# Altium PCB CH565W-R0.PcbDoc (part 4 of 5)
Units mil, origin at the board's own origin, x right, y up, seen from the top; angles counter-clockwise.
Board outline 3947.04 x 3947.04 mil, 4 copper layers (Top Layer, Layer 1, Layer 2, Bottom Layer), stack 23.756 mil thick; 204 components, 168 nets, 932 pads, 1005 vias.
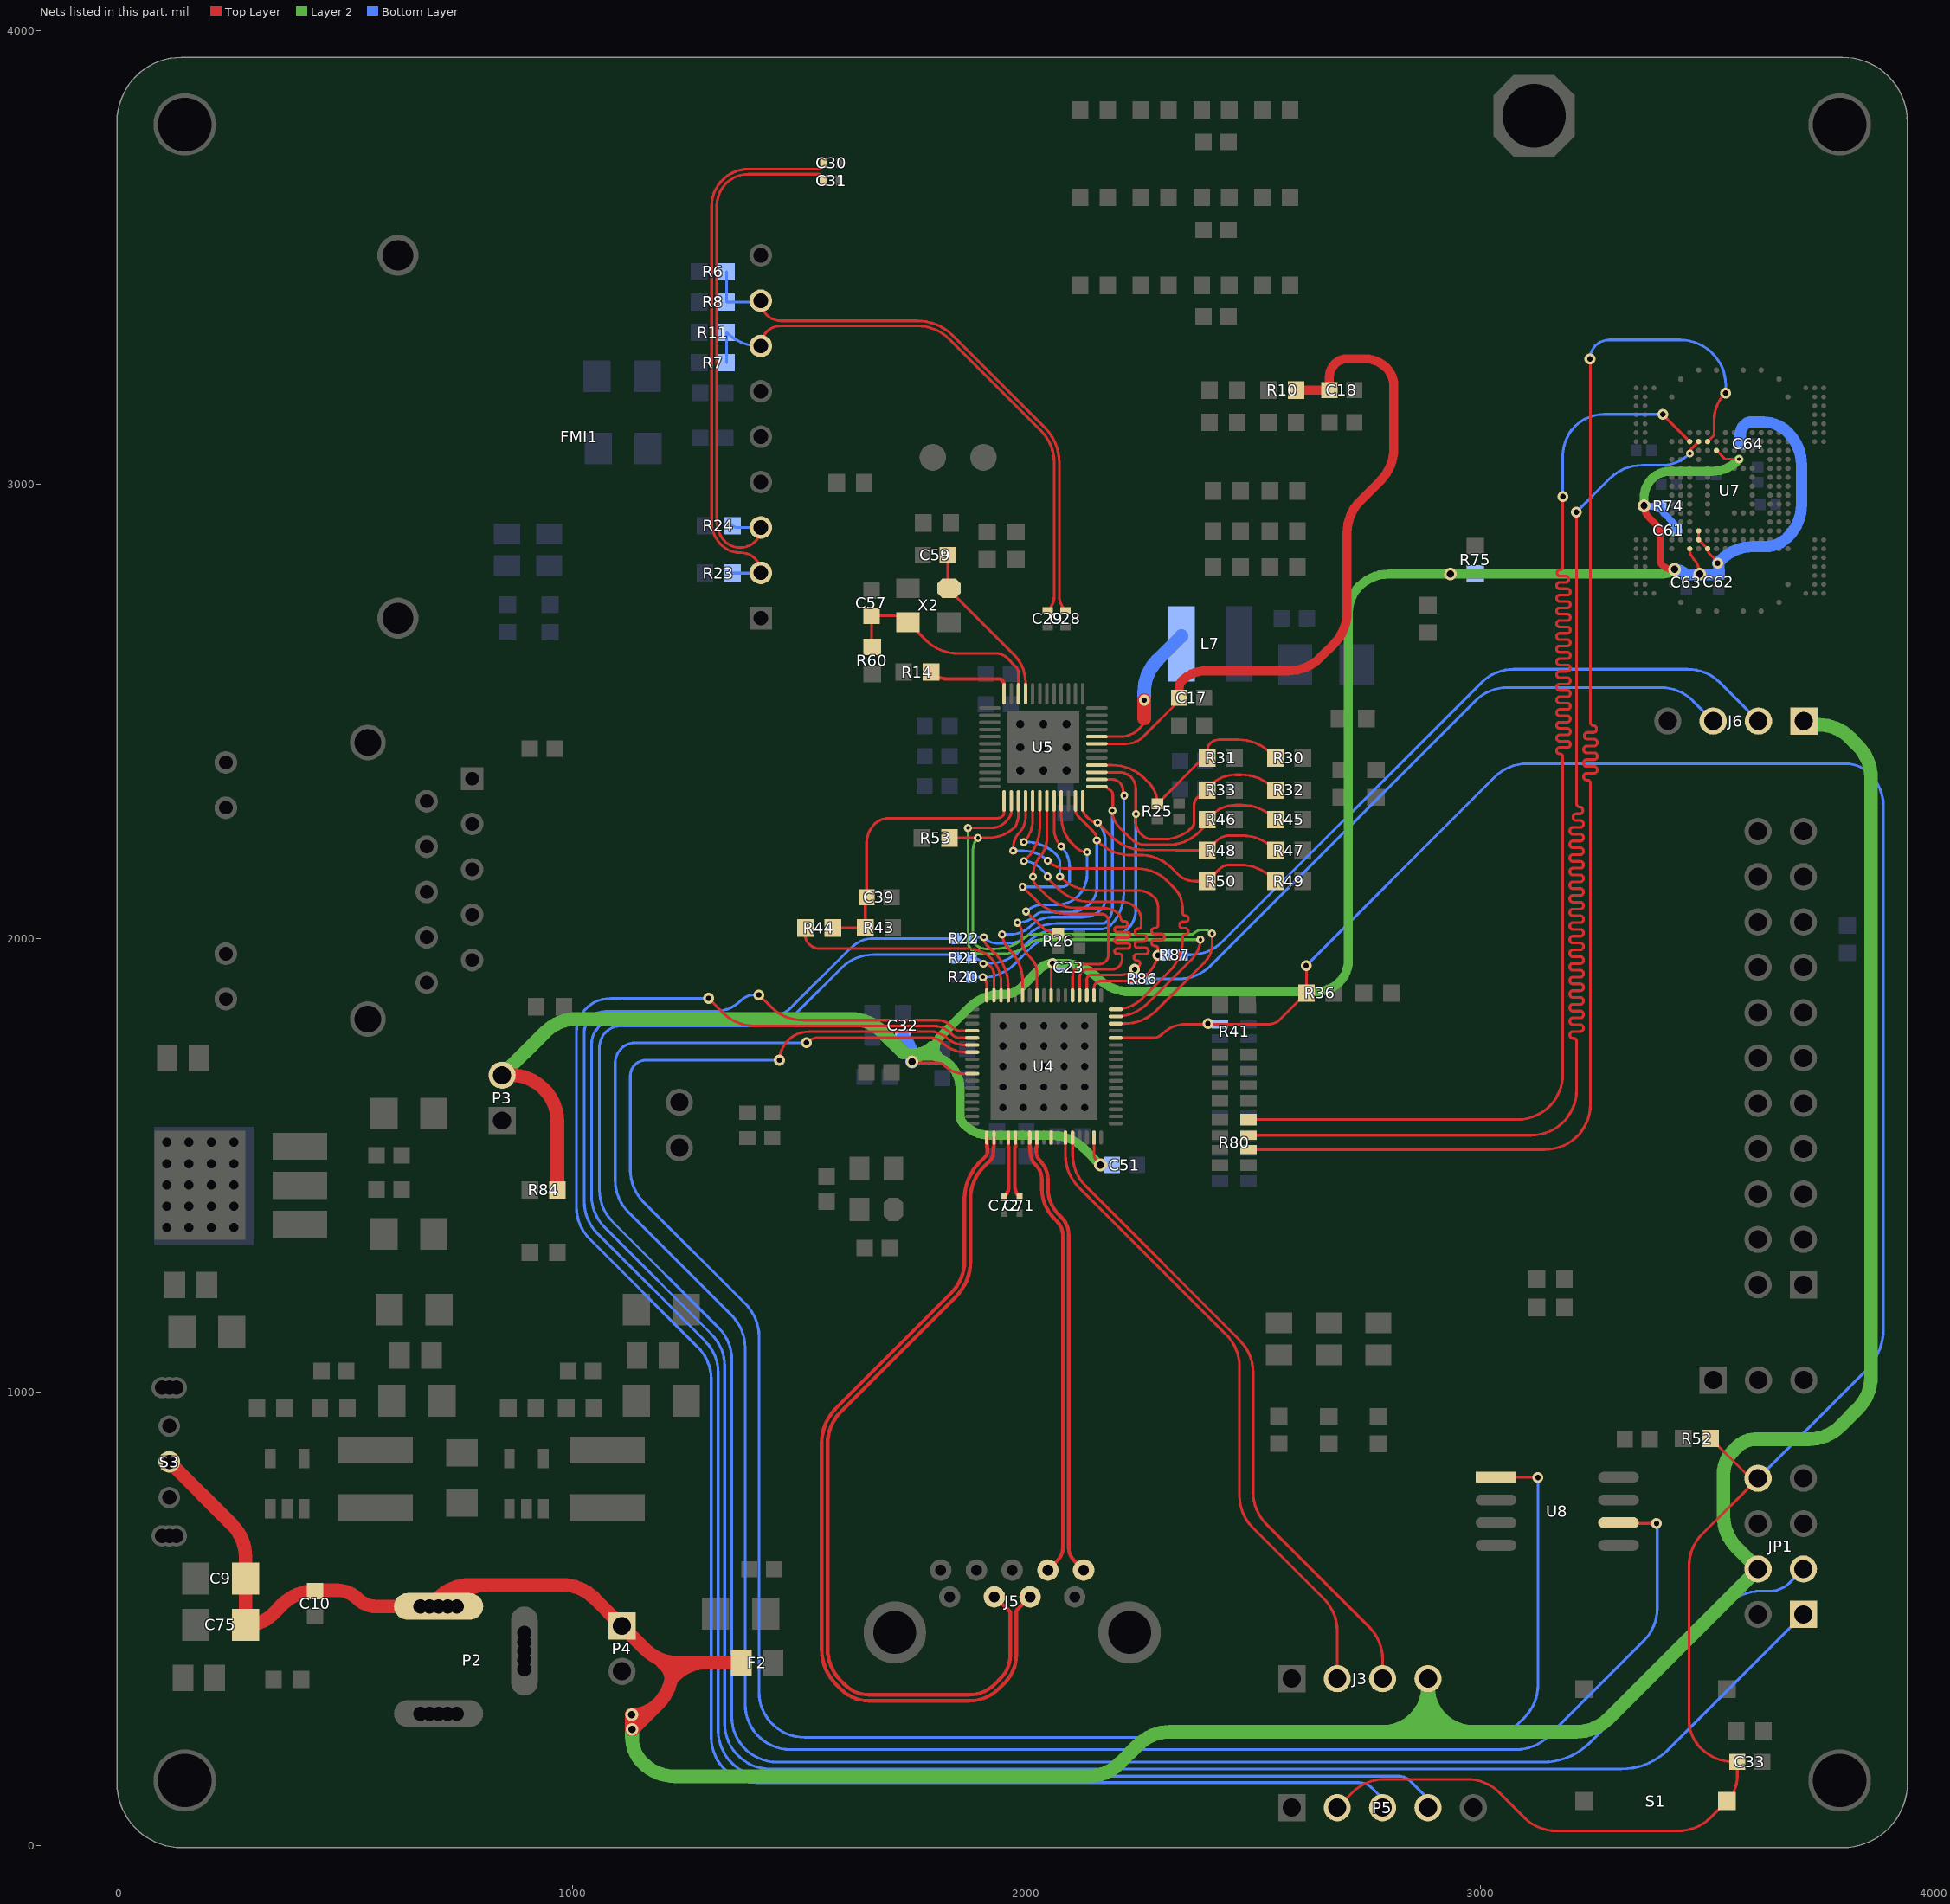
[diagram p6: the nets of this part, all layers, seen from the top]

## Via types
v1: diameter 17.72, hole 7.87, Top Layer to Bottom Layer, 556 vias
v2: diameter 24, hole 12, Top Layer to Bottom Layer, 366 vias
v3: diameter 28, hole 16, Top Layer to Bottom Layer, 63 vias
v4: diameter 17.72, hole 7.87, Top Layer to Bottom Layer, tented both sides, 8 vias
v5: diameter 24, hole 12, Top Layer to Bottom Layer, tented both sides, 5 vias
v6: diameter 26, hole 14, Top Layer to Bottom Layer, 2 vias
v7: diameter 19.68, hole 10, Top Layer to Bottom Layer, 1 vias
v8: diameter 20, hole 10, Top Layer to Bottom Layer, 1 vias
v9: diameter 28, hole 16, Top Layer to Bottom Layer, tented both sides, 1 vias
v10: diameter 32, hole 18, Top Layer to Bottom Layer, 1 vias
v11: diameter 17.72, hole 12, Top Layer to Bottom Layer, 1 vias

## Nets (pads, with @x,y where several pads share a name; then routed paths per layer and width w, separated by ;. In a path a pad name is that pad's centre, name@x,y a point inside that pad or via, vN(x,y) a via of type N, cw(c..) or ccw(c..) an arc to the next point about the centre after c; other vN are vias at no path point) (continued)
NetR80_6: R80.6 U7.J5 | length 3153.7
  Top Layer w6: R80.6@2489.51,1533.95 3143.25,1533.95 ccw(c3143.25,1633.95) 3243.25,1633.95 3243.25,2338.86 3243.25,2341.86 ccw(c3236.5,2341.86) 3236.5,2348.61 3235,2348.61 cw(c3235,2355.36) 3228.25,2355.36 3228.25,2356.86 cw(c3235,2356.86) 3235,2363.61 3251.5,2363.61 ccw(c3251.5,2370.36) 3258.25,2370.36 3258.25,2371.86 ccw(c3251.5,2371.86) 3251.5,2378.61 3235,2378.61 cw(c3235,2385.36) 3228.25,2385.36 3228.25,2386.86 cw(c3235,2386.86) 3235,2393.61 3251.5,2393.61 ccw(c3251.5,2400.36) 3258.25,2400.36 3258.25,2401.86 ccw(c3251.5,2401.86) 3251.5,2408.61 3235,2408.61 cw(c3235,2415.36) 3228.25,2415.36 3228.25,2416.86 cw(c3235,2416.86) 3235,2423.61 3251.5,2423.61 ccw(c3251.5,2430.36) 3258.25,2430.36 3258.25,2431.86 ccw(c3251.5,2431.86) 3251.5,2438.61 3236.56,2438.61 cw(c3236.56,2445.36) 3229.81,2445.36 3229.81,2446.86 cw(c3236.56,2446.86) 3236.56,2453.61 3250,2453.61 ccw(c3250,2460.36) 3256.75,2460.36 3256.75,2461.86 ccw(c3250,2461.86) 3250,2468.61 cw(c3250,2475.36) 3243.25,2475.36 3243.25,2543.86 3243.25,3275.62 ccw(c3242.12,3275.62) v2(3242.12,3276.76) ; U7.J5@3501.47,3094.85 3515.93,3109.33 3515.93,3143.38 cw(c3594.92,3143.38) 3539.07,3199.23 v2(3541.48,3201.64)
  Bottom Layer w6: v2(3242.12,3276.76) cw(c3284.22,3276.76) 3284.22,3318.85 3441.48,3318.85 cw(c3441.48,3218.85) 3541.48,3218.85 v2(3541.48,3201.64)
NetR80_7: R80.7 U7.J4 | length 3184.2
  Top Layer w6: R80.7@2489.51,1565.45 3112.82,1565.45 ccw(c3112.82,1665.45) 3212.82,1665.44 3212.82,1769.53 3212.82,1772.53 ccw(c3206.07,1772.53) 3206.07,1779.28 3204.57,1779.28 cw(c3204.57,1786.03) 3197.82,1786.03 3197.82,1787.53 cw(c3204.57,1787.53) 3204.57,1794.28 3221.07,1794.28 ccw(c3221.07,1801.03) 3227.82,1801.03 3227.82,1802.53 ccw(c3221.07,1802.53) 3221.07,1809.28 3204.57,1809.28 cw(c3204.57,1816.03) 3197.82,1816.03 3197.82,1817.53 cw(c3204.57,1817.53) 3204.57,1824.28 3221.07,1824.28 ccw(c3221.07,1831.03) 3227.82,1831.03 3227.82,1832.53 ccw(c3221.07,1832.53) 3221.07,1839.28 3204.57,1839.28 cw(c3204.57,1846.03) 3197.82,1846.03 3197.82,1847.53 cw(c3204.57,1847.53) 3204.57,1854.28 3221.07,1854.28 ccw(c3221.07,1861.03) 3227.82,1861.03 3227.82,1862.53 ccw(c3221.07,1862.53) 3221.07,1869.28 3204.57,1869.28 cw(c3204.57,1876.03) 3197.82,1876.03 3197.82,1877.53 cw(c3204.57,1877.53) 3204.57,1884.28 3221.07,1884.28 ccw(c3221.07,1891.03) 3227.82,1891.03 3227.82,1892.53 ccw(c3221.07,1892.53) 3221.07,1899.28 3204.57,1899.28 cw(c3204.57,1906.03) 3197.82,1906.03 3197.82,1907.53 cw(c3204.57,1907.53) 3204.57,1914.28 3221.07,1914.28 ccw(c3221.07,1921.03) 3227.82,1921.03 3227.82,1922.53 ccw(c3221.07,1922.53) 3221.07,1929.28 3204.57,1929.28 cw(c3204.57,1936.03) 3197.82,1936.03 3197.82,1937.53 cw(c3204.57,1937.53) 3204.57,1944.28 3221.07,1944.28 ccw(c3221.07,1951.03) 3227.82,1951.03 3227.82,1952.53 ccw(c3221.07,1952.53) 3221.07,1959.28 3204.57,1959.28 cw(c3204.57,1966.03) 3197.82,1966.03 3197.82,1967.53 cw(c3204.57,1967.53) 3204.57,1974.28 3221.07,1974.28 ccw(c3221.07,1981.03) 3227.82,1981.03 3227.82,1982.53 ccw(c3221.07,1982.53) 3221.07,1989.28 3204.57,1989.28 cw(c3204.57,1996.03) 3197.82,1996.03 3197.82,1997.53 cw(c3204.57,1997.53) 3204.57,2004.28 3221.07,2004.28 ccw(c3221.07,2011.03) 3227.82,2011.03 3227.82,2012.53 ccw(c3221.07,2012.53) 3221.07,2019.28 3204.57,2019.28 cw(c3204.57,2026.03) 3197.82,2026.03 3197.82,2027.53 cw(c3204.57,2027.53) 3204.57,2034.28 3221.07,2034.28 ccw(c3221.07,2041.03) 3227.82,2041.03 3227.82,2042.53 ccw(c3221.07,2042.53) 3221.07,2049.28 3204.57,2049.28 cw(c3204.57,2056.03) 3197.82,2056.03 3197.82,2057.53 cw(c3204.57,2057.53) 3204.57,2064.28 3221.07,2064.28 ccw(c3221.07,2071.03) 3227.82,2071.03 3227.82,2072.53 ccw(c3221.07,2072.53) 3221.07,2079.28 3204.57,2079.28 cw(c3204.57,2086.03) 3197.82,2086.03 3197.82,2087.53 cw(c3204.57,2087.53) 3204.57,2094.28 3221.07,2094.28 ccw(c3221.07,2101.03) 3227.82,2101.03 3227.82,2102.53 ccw(c3221.07,2102.53) 3221.07,2109.28 3204.57,2109.28 cw(c3204.57,2116.03) 3197.82,2116.03 3197.82,2117.53 cw(c3204.57,2117.53) 3204.57,2124.28 3221.07,2124.28 ccw(c3221.07,2131.03) 3227.82,2131.03 3227.82,2132.53 ccw(c3221.07,2132.53) 3221.07,2139.28 3204.57,2139.28 cw(c3204.57,2146.03) 3197.82,2146.03 3197.82,2147.53 cw(c3204.57,2147.53) 3204.57,2154.28 3221.07,2154.28 ccw(c3221.07,2161.03) 3227.82,2161.03 3227.82,2162.53 ccw(c3221.07,2162.53) 3221.07,2169.28 3204.57,2169.28 cw(c3204.57,2176.03) 3197.82,2176.03 3197.82,2177.53 cw(c3204.57,2177.53) 3204.57,2184.28 3221.07,2184.28 ccw(c3221.07,2191.03) 3227.82,2191.03 3227.82,2192.53 ccw(c3221.07,2192.53) 3221.07,2199.28 3204.57,2199.28 cw(c3204.57,2206.03) 3197.82,2206.03 3197.82,2207.53 cw(c3204.57,2207.53) 3204.57,2214.28 3221.07,2214.28 ccw(c3221.07,2221.03) 3227.82,2221.03 3227.82,2222.53 ccw(c3221.07,2222.53) 3221.07,2229.28 3204.57,2229.28 cw(c3204.57,2236.03) 3197.82,2236.03 3197.82,2237.53 cw(c3204.57,2237.53) 3204.57,2244.28 3221.07,2244.28 ccw(c3221.07,2251.03) 3227.82,2251.03 3227.82,2252.53 ccw(c3221.07,2252.53) 3221.07,2259.28 3211.72,2259.28 cw(c3211.72,2266.03) 3204.97,2266.03 3204.97,2267.53 cw(c3211.72,2267.53) 3211.72,2274.28 3219.57,2274.28 ccw(c3219.57,2281.03) 3226.32,2281.03 3226.32,2282.53 ccw(c3219.57,2282.53) 3219.57,2289.28 cw(c3219.57,2296.03) 3212.82,2296.03 3212.82,2345.59 3212.82,2348.59 v2@3212.82,2939.27 ; v4(3462.46,3068.75) 3464.7,3070.99 3464.7,3077.76 U7.J4@3481.78,3094.85
  Bottom Layer w6: v2(3211.9,2939.27) 3285.85,3013.21 cw(c3356.56,2942.5) 3356.56,3042.5 3399.09,3042.5 ccw(c3399.09,3132.11) v4(3462.46,3068.75)
NetR80_8: R80.8 U7.J3 | length 3166.7
  Top Layer w6: R80.8@2489.51,1600.1 3082.41,1600.1 ccw(c3082.41,1700.1) 3182.41,1700.1 3182.41,2397 3182.41,2400 ccw(c3176.11,2400) 3176.11,2406.3 3175.12,2406.3 cw(c3175.12,2412.6) 3168.82,2412.6 3168.82,2414 cw(c3175.12,2414) 3175.12,2420.3 3192.52,2420.3 ccw(c3192.52,2426.6) 3198.82,2426.6 3198.82,2428 ccw(c3192.52,2428) 3192.52,2434.3 3175.12,2434.3 cw(c3175.12,2440.6) 3168.82,2440.6 3168.82,2442 cw(c3175.12,2442) 3175.12,2448.3 3192.52,2448.3 ccw(c3192.52,2454.6) 3198.82,2454.6 3198.82,2456 ccw(c3192.52,2456) 3192.52,2462.3 3175.12,2462.3 cw(c3175.12,2468.6) 3168.82,2468.6 3168.82,2470 cw(c3175.12,2470) 3175.12,2476.3 3192.52,2476.3 ccw(c3192.52,2482.6) 3198.82,2482.6 3198.82,2484 ccw(c3192.52,2484) 3192.52,2490.3 3175.12,2490.3 cw(c3175.12,2496.6) 3168.82,2496.6 3168.82,2498 cw(c3175.12,2498) 3175.12,2504.3 3192.52,2504.3 ccw(c3192.52,2510.6) 3198.82,2510.6 3198.82,2512 ccw(c3192.52,2512) 3192.52,2518.3 3175.12,2518.3 cw(c3175.12,2524.6) 3168.82,2524.6 3168.82,2526 cw(c3175.12,2526) 3175.12,2532.3 3192.52,2532.3 ccw(c3192.52,2538.6) 3198.82,2538.6 3198.82,2540 ccw(c3192.52,2540) 3192.52,2546.3 3175.12,2546.3 cw(c3175.12,2552.6) 3168.82,2552.6 3168.82,2554 cw(c3175.12,2554) 3175.12,2560.3 3192.52,2560.3 ccw(c3192.52,2566.6) 3198.82,2566.6 3198.82,2568 ccw(c3192.52,2568) 3192.52,2574.3 3175.12,2574.3 cw(c3175.12,2580.6) 3168.82,2580.6 3168.82,2582 cw(c3175.12,2582) 3175.12,2588.3 3192.52,2588.3 ccw(c3192.52,2594.6) 3198.82,2594.6 3198.82,2596 ccw(c3192.52,2596) 3192.52,2602.3 3175.12,2602.3 cw(c3175.12,2608.6) 3168.82,2608.6 3168.82,2610 cw(c3175.12,2610) 3175.12,2616.3 3192.52,2616.3 ccw(c3192.52,2622.6) 3198.82,2622.6 3198.82,2624 ccw(c3192.52,2624) 3192.52,2630.3 3175.12,2630.3 cw(c3175.12,2636.6) 3168.82,2636.6 3168.82,2638 cw(c3175.12,2638) 3175.12,2644.3 3192.52,2644.3 ccw(c3192.52,2650.6) 3198.82,2650.6 3198.82,2652 ccw(c3192.52,2652) 3192.52,2658.3 3175.12,2658.3 cw(c3175.12,2664.6) 3168.82,2664.6 3168.82,2666 cw(c3175.12,2666) 3175.12,2672.3 3192.52,2672.3 ccw(c3192.52,2678.6) 3198.82,2678.6 3198.82,2680 ccw(c3192.52,2680) 3192.52,2686.3 3175.12,2686.3 cw(c3175.12,2692.6) 3168.82,2692.6 3168.82,2694 cw(c3175.12,2694) 3175.12,2700.3 3192.52,2700.3 ccw(c3192.52,2706.6) 3198.82,2706.6 3198.82,2708 ccw(c3192.52,2708) 3192.52,2714.3 3175.12,2714.3 cw(c3175.12,2720.6) 3168.82,2720.6 3168.82,2722 cw(c3175.12,2722) 3175.12,2728.3 3192.52,2728.3 ccw(c3192.52,2734.6) 3198.82,2734.6 3198.82,2736 ccw(c3192.52,2736) 3192.52,2742.3 3175.12,2742.3 cw(c3175.12,2748.6) 3168.82,2748.6 3168.82,2750 cw(c3175.12,2750) 3175.12,2756.3 3192.52,2756.3 ccw(c3192.52,2762.6) 3198.82,2762.6 3198.82,2764 ccw(c3192.52,2764) 3192.52,2770.3 3175.12,2770.3 cw(c3175.12,2776.6) 3168.82,2776.6 3168.82,2778 cw(c3175.12,2778) 3175.12,2784.3 3188.9,2784.3 ccw(c3188.9,2790.6) 3195.2,2790.6 3195.2,2792 ccw(c3188.9,2792) 3188.9,2798.3 3176.11,2798.3 cw(c3176.11,2804.6) 3169.81,2804.6 3169.81,2806 cw(c3176.11,2806) 3176.11,2812.3 ccw(c3176.11,2818.6) 3182.41,2818.6 3182.41,2937.19 v2(3182.41,2973.49) ; v2(3402.8,3154.97) 3402.8,3154.16 U7.J3@3462.1,3094.85
  Bottom Layer w6: v2(3182.41,2973.49) 3182.41,3064.16 cw(c3273.22,3064.16) 3273.22,3154.97 v2(3402.8,3154.97)
PA19: U4.10
PB24: R44.2 U4.49 | length 535
  Top Layer w6: R44.2@1512.38,2022.43 1512.38,2007.08 ccw(c1540.98,2007.08) 1520.75,1986.86 ccw(c1544.85,2010.95) 1544.85,1976.88 1870.85,1976.88 cw(c1870.85,1904.71) 1921.89,1955.74 cw(c1868.24,1902.09) 1944.11,1902.09 U4.49@1944.11,1873.9
PHYRSTB: C39.2 R43.1 R44.1 U5.13 | length 621.3
  Top Layer w6: R44.1@1573.01,2022.43 1642.99,2022.43 ccw(c1642.99,2024.94) R43.1@1644.77,2023.17 1644.77,2083.54 cw(c1654.35,2083.54) C39.2@1647.57,2090.31 1647.57,2189.92 1647.57,2209.43 cw(c1706.65,2209.43) 1664.88,2251.21 cw(c1697.2,2218.88) 1697.2,2264.59 1745.25,2264.59 1935.08,2264.59 ccw(c1935.08,2282.62) 1947.83,2269.87 ccw(c1941.09,2276.61) 1950.62,2276.61 U5.13@1950.62,2297.13
PWR: C9.2 C10.2 C75.2 F2.2 J3.4 J6.1 JP1.4 P2.1 P4.1 S3.1 | length 7815.1
  Top Layer w30: S3.1@110.18,845.58 249.02,706.74 cw(c178.31,636.03) 278.31,636.03 C9.2@278.31,588.13 C75.2@278.31,486.14 282.16,486.14 ccw(c282.16,564.49) 337.56,509.09 359.63,531.15 cw(c430.34,460.44) 430.34,560.44 C10.2@431.73,560.44 ; C10.2@431.73,562.32 481.16,562.32 cw(c481.16,500.89) 524.6,544.33 ccw(c567.23,586.96) 567.23,526.67 P2.1@664.07,526.67 P2.1@684.07,526.67 ; P2.1@684.07,540.95 P2.1@684.07,526.67 ; P2.1@704.07,526.67 722.44,545.04 cw(c793.15,474.33) 793.15,574.33 ; P2.1@724.07,526.67 742.44,545.04 cw(c813.15,474.33) 813.15,574.33 ; 1187.97,311.98 1188.86,312.87 ccw(c1118.15,383.58) 1216.67,366.44 ; F2.2@1371.15,402.99 1294.64,402.99 ; P2.1@684.07,526.67 702.44,545.04 cw(c773.15,474.33) 773.15,574.33 793.15,574.33 ; 793.15,574.33 813.15,574.33 ; 813.15,574.33 976.1,574.33 cw(c976.1,474.33) 1046.81,545.04 P4.1@1108.22,483.63 1159.57,432.28 ccw(c1230.28,502.99) 1189.19,411.82 ; 1189.19,411.82 ccw(c1230.28,502.99) 1230.28,402.99 1237.56,402.99 ; 1189.19,411.82 1204.02,396.99 cw(c1173.47,366.44) 1216.67,366.44 ; 1216.67,366.44 ccw(c1118.15,383.58) 1218.15,383.58 cw(c1237.56,383.58) 1237.56,402.99 ; 1216.67,366.44 1223.93,373.7 cw(c1294.64,302.99) 1294.64,402.99 ; 1237.56,402.99 1294.64,402.99 ; v3(1129.84,287.9) ccw(c1129.84,370.1) 1187.94,311.95 1132.76,256.77 cw(c1130.21,259.32) v3(1130.21,255.71) 1130.21,287.54 v3(1129.84,287.9)
  Layer 2 w30: v3(1129.84,287.9) cw(c1126.07,284.13) 1131.41,284.13 1131.41,224.96 ; v3(1130.21,255.71) 1130.21,238.8 ccw(c1210.53,238.8) 1131.41,224.96 ; J3.4@2885.09,367.45 J3.4@2885.09,350.37 ; J6.1@3713.66,2478.72 3713.66,2470.27 3747,2470.27 cw(c3747,2373.81) 3815.2,2442.02 3832.46,2424.76 cw(c3761.75,2354.05) 3861.75,2354.05 3861.75,1033.06 cw(c3761.75,1033.06) 3832.46,962.35 3794.57,924.46 cw(c3723.86,995.17) 3723.86,895.17 3606.65,895.17 ccw(c3606.65,839.43) 3567.23,878.85 3557.83,869.44 ccw(c3608.84,818.44) 3536.7,818.44 3536.7,726.61 ccw(c3636.7,726.61) 3565.99,655.9 JP1.4@3612.66,609.23 3283.09,279.66 cw(c3212.38,350.37) 3212.38,250.37 2985.09,250.37 ; 1131.41,224.96 ccw(c1210.53,238.8) 1153.73,182 1154.11,181.62 ccw(c1224.82,252.33) 1224.82,152.33 2135.56,152.33 ccw(c2135.56,252.33) 2206.27,181.62 2245.73,221.08 cw(c2316.44,150.37) 2316.44,250.37 2785.09,250.37 ; 2785.09,250.37 ccw(c2785.09,350.37) J3.4@2885.09,350.37 ; 2785.09,250.37 2853.49,250.37 ; 2853.49,250.37 ccw(c2853.49,281.96) 2885.09,281.96 2885.09,299.15 ; 2853.49,250.37 2933.87,250.37 ; 2885.09,299.15 ccw(c2933.87,299.15) 2933.87,250.37 ; 2885.09,299.15 J3.4@2885.09,350.37 ; J3.4@2885.09,350.37 ccw(c2985.09,350.37) 2985.09,250.37 ; 2933.87,250.37 2985.09,250.37
REGOUT: L7.1 U5.32 | length 362
  Top Layer w6: U5.32@2155.35,2444.41 2206.47,2444.41 ccw(c2206.47,2504.19) 2248.74,2461.92 ccw(c2204.49,2506.17) 2267.07,2506.17 2267.07,2509.74
  Top Layer w30: 2259.69,2484.21 v2(2259.69,2524.71)
  Bottom Layer w30: v2(2259.69,2524.71) 2259.69,2542.66 cw(c2359.69,2542.66) 2288.98,2613.37 L7.1@2341.44,2665.83
RGMII_MDC: U4.33 U5.14 | length 1207.3
  Top Layer w6: v1(1871,2243) 1924.08,2243 1924.37,2243.29 ccw(c1924.37,2281.73) 1951.55,2254.55 ; 1951.56,2254.57 1959.29,2262.29 ; 1959.3,2262.3 ccw(c1942.19,2279.39) 1962.44,2266.18 ccw(c1942.19,2279.39) 1966.37,2279.39 U5.14@1966.37,2302.68 ; U4.33@2196.78,1827.36 ccw(c2196.78,1927) 2267.23,1856.54 2363.6,1952.91 ccw(c2314.1,2002.42) v1@2384.11,2002.42
  Layer 2 w6: v1(1871,2243) 1871,1993.43 ccw(c1899,1993.43) 1879.2,1973.63 ccw(c1899.3,1993.73) 1899.29,1965.3 1944,1965.3 ccw(c1944,2065.3) 2004.21,1985.46 ; v1(2383.28,1996.84) 2386.18,1993.94 ccw(c2379.17,1986.92) 2379.17,1996.84 2031.69,1996.84 ccw(c2031.69,1957.98) 2010.24,1990.39 ; 2004.21,1985.46 ccw(c1944,2065.3) 2010.24,1990.39 ; 2004.21,1985.46 cw(c2031.69,1957.98) 2010.24,1990.39
RGMII_MDIO: R53.2 U4.32 U5.15 | length 1306.6
  Top Layer w6: R53.2@1830.07,2220.81 1914.42,2220.81 ccw(c1914.42,2307.37) 1975.63,2246.16 ccw(c1920.26,2273.74) 1982.12,2273.74 U5.15@1982.12,2302.68 ; U4.32@2196.78,1811.61 2216.3,1811.61 ccw(c2216.3,1911.61) 2287.01,1840.9 2387.37,1941.26 ccw(c2316.66,2011.97) 2394.78,1949.54 ccw(c2360.44,1983.87) 2405.96,1966.95 ccw(c2360.44,1983.87) 2409,1983.87 v1(2409,2010)
  Layer 2 w6: v1(1893,2221) ccw(c1919.56,2194.44) 1882,2194.44 1882,2001.36 ccw(c1904.69,2001.36) 1888.64,1985.32 ccw(c1909.84,2006.52) 1909.84,1976.54 1930.17,1976.54 ccw(c1930.17,2076.54) 1996.78,2001.96 ; 1992.54,1998.37 cw(c2015.88,1975.03) 1996.78,2001.96 ; v1(2409,2010) ccw(c2386.59,1987.59) 2393.97,2018.41 2388.01,2018.41 ccw(c2388.01,1990.69) 2368.41,2010.29 cw(c2362.98,2015.73) 2362.98,2008.04 2015.88,2008.04 ccw(c2015.88,1975.03) 1996.78,2001.96
RGMII_RXC: R25.2 R30.2 R31.1 U5.28 | length 519.8
  Top Layer w6: U5.28@2155.35,2381.42 2189.52,2381.42 cw(c2189.52,2281.42) 2260.23,2352.13 2269.2,2343.16 cw(c2222.61,2296.57) R25.2@2288.5,2296.57 2383.21,2391.28 cw(c2398.43,2376.05) R31.1@2398.43,2397.59 2398.43,2413.55 cw(c2421.43,2413.55) 2405.17,2429.81 cw(c2424.04,2410.94) 2424.04,2437.62 2467.13,2437.62 cw(c2467.13,2337.62) 2537.84,2408.33 R30.2@2548.59,2397.59
RGMII_RXD0: R21.1 U4.50 U5.26 | length 795.6
  Top Layer w6: v1(1905.2,1943.91) cw(c1905.2,1921.68) 1920.92,1937.4 cw(c1902.98,1919.46) 1928.36,1919.46 U4.50@1928.36,1873.9 ; U5.26@2155.35,2349.93 2188.26,2349.93 cw(c2188.26,2324.79) 2206.04,2342.56 cw(c2190.38,2326.91) 2212.52,2326.91 v1@2212.52,2314.19
  Bottom Layer w6: R21.1@1878.52,1957.02 cw(c1878.52,1924.24) 1901.7,1947.42 v1(1905.2,1943.91) 1914.97,1943.91 ccw(c1914.97,2043.91) 1985.68,1973.2 2003.59,1991.11 cw(c2074.3,1920.4) 2074.3,2020.4 2166.88,2020.4 ccw(c2166.88,2046.35) 2185.23,2028 ccw(c2114.52,2098.71) 2214.52,2098.71 v1@2214.52,2314.19
  other v1: 2215.52,2314.19
RGMII_RXD1: R22.1 R45.2 R46.1 U4.48 U5.25 | length 1223.9
  Top Layer w6: v1(1905.97,2002.04) ccw(c1932.45,2002.04) 1913.73,1983.32 1930.56,1966.48 cw(c1859.85,1895.77) 1959.85,1895.77 U4.48@1959.85,1873.9 ; U5.25@2155.35,2334.18 2163.85,2334.18 cw(c2163.85,2301.73) 2186.8,2324.67 cw(c2178.22,2316.1) 2190.35,2316.1 v1@2190.35,2281.15 ; v1(2189.35,2281.15) ccw(c2240.43,2281.15) 2204.31,2245.04 2230.69,2218.67 ccw(c2262.13,2250.11) 2262.13,2205.64 2311.08,2205.64 ccw(c2311.08,2305.64) 2381.79,2234.93 2398.43,2251.58 cw(c2403.74,2251.58) R46.1@2399.98,2255.32 ; R46.1@2398.43,2261.58 2408.7,2271.85 cw(c2460.89,2219.66) 2460.89,2293.46 2475.28,2293.46 cw(c2475.28,2193.46) 2545.99,2264.17 R45.2@2548.59,2261.58 ; R45.2@2548.37,2251.79 R45.2@2548.59,2251.58
  Bottom Layer w6: R22.1@1879.11,1999.15 cw(c1887.36,1990.89) 1887.36,2002.57 1905.97,2002.57 1909.7,1998.84 ccw(c1933.3,2022.44) 1933.3,1989.06 1960.74,1989.06 ccw(c1960.74,2049.37) 2003.38,2006.73 cw(c2065.25,1944.86) 2065.25,2032.36 2167.01,2032.36 ccw(c2167.01,2046.23) 2176.81,2036.42 ccw(c2146.54,2066.69) 2189.35,2066.69 v1(2189.35,2281.15)
RGMII_RXD2: R47.2 R48.1 U4.46 U5.24 | length 1081
  Top Layer w6: v1(1946.21,2008.38) ccw(c2001.06,2014.78) 1962.02,1975.74 cw(c1957.77,1971.51) 1963.2,1974.06 cw(c1895.23,1906.1) 1991.35,1906.1 U4.46@1991.35,1873.9 ; U5.24@2123.85,2302.68 2123.85,2286.6 ccw(c2146.35,2286.6) 2125.74,2277.56 ccw(c2146.35,2286.6) 2130.44,2270.69 2138.9,2262.23 ccw(c2156.99,2280.32) v1(2156.99,2254.74) 2187.8,2223.93 ccw(c2258.51,2294.64) 2189.72,2222.06 ccw(c2258.51,2294.64) 2258.51,2194.64 cw(c2258.51,2188.64) 2258.6,2194.64 2398.43,2193.18 R48.1@2398.48,2193.17 ; R48.1@2398.43,2188.57 R48.1@2400.93,2191.07 ; R48.1@2398.43,2193.57 2419.69,2214.83 cw(c2447.24,2187.28) 2447.24,2226.24 2474.49,2226.24 cw(c2474.49,2126.24) 2545.2,2196.95 R47.2@2548.59,2193.57 ; R47.2@2548.45,2188.71 R47.2@2548.59,2188.57
  Bottom Layer w6: v1(1946.21,2008.38) 1963.48,2008.38 ccw(c1963.48,2075.18) 2010.71,2027.95 cw(c2054.88,1983.78) 2054.88,2046.24 2123.69,2046.24 ccw(c2123.69,2104.35) 2164.77,2063.26 ccw(c2143.93,2084.11) 2173.41,2084.11 2173.41,2215.1 ccw(c2117.35,2215.1) 2170.67,2232.4 ccw(c2117.35,2215.1) v1(2156.99,2254.74)
RGMII_RXD3: R49.2 R50.1 U4.44 U5.23 | length 1039.2
  Top Layer w6: v1(1980.11,2034.15) cw(c1956.73,2010.77) 1989.79,2010.77 1989.79,1994.93 ccw(c2034.68,1994.93) 2002.94,1963.18 2010.28,1955.84 ; 2010.31,1955.81 cw(c1979.95,1925.51) 2022.85,1925.51 U4.44@2022.85,1873.9 ; U5.23@2108.1,2302.68 2108.1,2283.07 ccw(c2128.79,2283.07) 2114.16,2268.45 2146.73,2235.88 cw(c2126.67,2215.82) 2155.04,2215.82 2158.5,2212.35 ccw(c2229.21,2283.06) 2216.03,2183.93 ccw(c2229.21,2283.06) 2229.21,2183.06 2249.83,2183.06 ; 2249.83,2183.67 cw(c2249.83,2083.67) 2320.54,2154.38 2333.88,2141.05 ccw(c2371.26,2178.44) 2371.26,2125.57 R50.1@2398.43,2125.57 ; R50.1@2399.78,2126.12 ccw(c2399.78,2124.22) R50.1@2398.43,2125.57 ; R49.2@2534.74,2127.17 cw(c2531.62,2122.04) R49.2@2535.79,2126.36 ; R49.2@2548.59,2125.57 2541.95,2132.2 ccw(c2471.24,2061.49) 2471.24,2161.49 2447.02,2161.49 ccw(c2447.02,2130.92) 2425.4,2152.54 R50.1@2398.43,2125.57
  Bottom Layer w6: v1(1980.11,2034.15) ccw(c1980.11,2091.39) 2020.58,2050.91 cw(c2036.32,2035.17) 2036.32,2057.43 2094.78,2057.43 ccw(c2094.78,2121.85) 2140.33,2076.3 ccw(c2104.82,2111.81) 2155.04,2111.81 v1(2155.04,2215.81)
RGMII_RXDV: R20.1 R32.2 R33.1 U4.51 U5.27 | length 1274.3
  Top Layer w6: v1(1904.17,1913.87) v1@1906.35,1911.69 ; v1@1906.36,1911.68 cw(c1891.23,1896.58) 1912.61,1896.58 U4.51@1912.61,1873.9 ; U5.27@2155.35,2365.67 2205.11,2365.67 cw(c2205.11,2330.04) 2230.31,2355.24 cw(c2204.41,2329.35) 2241.03,2329.35 2241.03,2255.21 ccw(c2274.2,2255.21) 2241.07,2253.52 ccw(c2274.2,2255.21) 2250.75,2231.76 2255.66,2226.84 ccw(c2276.33,2247.51) 2276.33,2218.28 2303.29,2218.28 ccw(c2303.29,2305.2) 2364.76,2243.74 ccw(c2353.42,2255.08) 2369.45,2255.08 2369.45,2292.92 cw(c2392.89,2292.92) 2376.32,2309.5 cw(c2388.59,2297.22) 2388.59,2314.58 ccw(c2388.59,2326.98) R33.1@2397.36,2318.21 ; R33.1@2398.43,2329.58 2407.07,2338.22 cw(c2460.47,2284.81) 2412.17,2342.87 cw(c2460.47,2284.81) 2439.18,2357.27 cw(c2460.47,2284.81) 2460.47,2360.34 2473.41,2360.34 cw(c2473.41,2260.34) 2544.12,2331.05 R32.2@2548.59,2326.58